# Altium PCB Goldstrike1_Rev01 2014 06 02 2.PcbDoc (part 4 of 6)
Units mm, origin at the board's own origin, x right, y up, seen from the top; angles counter-clockwise.
Board outline 110 x 255.5 mm, 4 copper layers (L1, L2, L3, L4), stack 1.577 mm thick; 658 components, 193 nets, 4346 pads, 2120 vias.
Unrouted connection lines stored in the file: 1041.
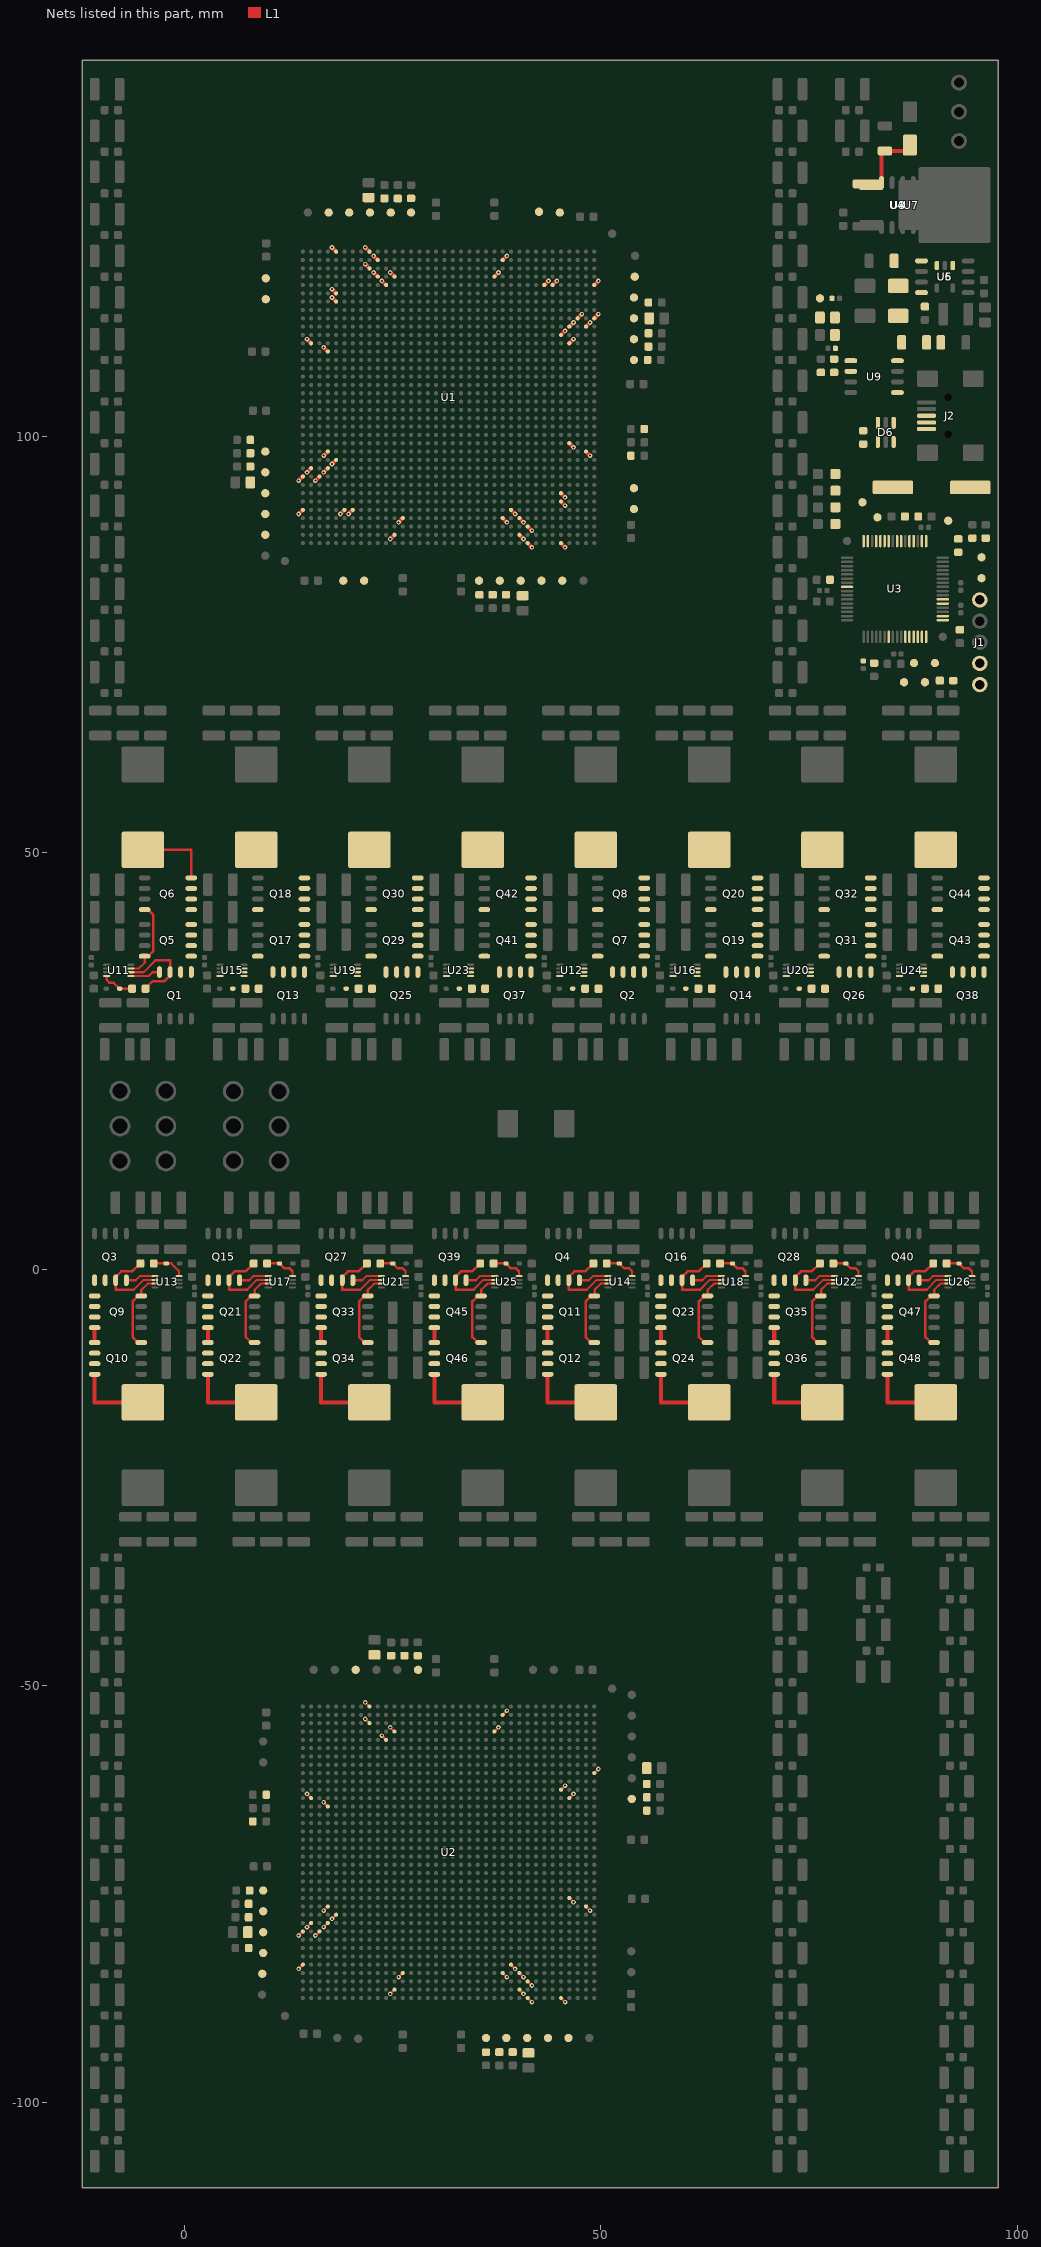
[diagram p6: the nets of this part, all layers, seen from the top]

## Via types
v1: diameter 0.55/0.55 (per signal layer), hole 0.25, L1 to L4, 1968 vias
v2: diameter 0.6/0.6 (per signal layer), hole 0.3, L1 to L4, 152 vias

## Nets (pads, with @x,y where several pads share a name; then routed paths per layer and width w, separated by ;. In a path a pad name is that pad's centre, name@x,y a point inside that pad or via, vN(x,y) a via of type N, cw(c..) or ccw(c..) an arc to the next point about the centre after c; other vN are vias at no path point) (continued)
$1I69\$1N2830: TP63.1 U2.AP28 | length 0.7
  L1 w0.3: v1(21.7,-54) U2.AP28@22.2,-54.5
$1I69\$1N2831: TP56.1 U2.E36 | length 0.7
  L1 w0.3: v1(13.7,-84) U2.E36@14.2,-83.5
$1I69\$1N2832: TP60.1 U2.K35 | length 0.7
  L1 w0.3: v1(14.7,-79) U2.K35@15.2,-78.5
$1I69\$1N2833: TP68.1 U2.K33 | length 0.7
  L1 w0.3: v1(16.7,-79) U2.K33@17.2,-78.5
$1I69\$1N2834: TP64.1 U2.J34 | length 0.7
  L1 w0.3: v1(15.7,-80) U2.J34@16.2,-79.5
$1I69\$1N2835: TP57.1 U2.A5 | length 0.7
  L1 w0.3: U2.A5@45.2,-87.5 v1(45.7,-88)
$1I69\$1N2836: TP61.1 U2.B10 | length 0.7
  L1 w0.3: U2.B10@40.2,-86.5 v1(40.7,-87)
$1I69\$1N2837: TP69.1 U2.D10 | length 0.7
  L1 w0.3: U2.D10@40.2,-84.5 v1(40.7,-85)
$1I69\$1N2838: TP65.1 U2.C9 | length 0.7
  L1 w0.3: U2.C9@41.2,-85.5 v1(41.7,-86)
$1I69\$1N2867: R31.2 TP82.1 U2.AE4 | length 0.7
  L1 w0.3: U2.AE4@46.2,-63.5 v1(46.7,-63)
$1I69\$1N2868: R32.2 TP83.1 U2.AN25 | length 0.7
  L1 w0.3: v1(24.7,-55) U2.AN25@25.2,-55.5
$1I69\$1N2869: R33.2 TP84.1 U2.M33 | length 0.7
  L1 w0.3: v1(16.7,-77) U2.M33@17.2,-76.5
$1I69\$1N2870: R34.2 TP85.1 U2.D12 | length 0.7
  L1 w0.3: U2.D12@38.2,-84.5 v1(38.7,-85)
$1I69\ANAVDD_PLL_5: C156.1 C157.1 FB6.2 U2.AF5 | length 0.7
  L1 w0.3: U2.AF5@45.2,-62.5 v1(45.7,-62)
$1I69\ANAVDD_PLL_6: C158.1 C159.1 FB8.2 U2.AM26 | length 0.7
  L1 w0.3: v1(23.7,-56) U2.AM26@24.2,-56.5
$1I69\ANAVDD_PLL_7: C160.1 C161.1 FB7.2 U2.L32 | length 0.7
  L1 w0.3: v1(17.7,-78) U2.L32@18.2,-77.5
$1I69\ANAVDD_PLL_8: C162.1 C163.1 FB9.2 U2.E11 | length 0.7
  L1 w0.3: U2.E11@39.2,-83.5 v1(39.7,-84)
$1I69\JTG_TRST_L_2: R1.1 U2.AE35 U2.AR12 U2.B25 U2.M2 | length 2.8
  L1 w0.3: v1(14.7,-63) U2.AE35@15.2,-63.5 ; v1(24.7,-87) U2.B25@25.2,-86.5 ; U2.AR12@38.2,-53.5 v1(38.7,-53) ; U2.M2@48.2,-76.5 v1(48.7,-77)
$1I69\PLL_BYPASS_IN_2: R2.1 U2.A9 U2.AH1 U2.AT28 U2.J36 | length 2.8
  L1 w0.3: v1(13.7,-80) U2.J36@14.2,-79.5 ; v1(21.7,-52) U2.AT28@22.2,-52.5 ; U2.A9@41.2,-87.5 v1(41.7,-88) ; U2.AH1@49.2,-60.5 v1(49.7,-60)
$1I69\TEST_MODE_2: R23.1 U2.AD33 U2.AN13 U2.D24 U2.N4 | length 2.8
  L1 w0.3: v1(16.7,-64) U2.AD33@17.2,-64.5 ; v1(25.7,-85) U2.D24@26.2,-84.5 ; U2.AN13@37.2,-55.5 v1(37.7,-55) ; U2.N4@46.2,-75.5 v1(46.7,-76)
$1I79\$1N2293: TP6.1 U3.13
$1I79\$1N2294: TP7.1 U3.14
$1I79\$1N2311: TP10.1 U3.21
$1I79\$1N2312: TP11.1 U3.22
$1I79\$1N2359: TP12.1 U3.43
$1I79\$1N2360: TP13.1 U3.42
$1I79\$1N2443: TP21.1 U3.33
$1I79\$1N2464: R16.2 R17.1 U9.2
$1I79\$1N2473: TP3.1 U3.11
$1I79\$1N2474: TP5.1 U3.12
$1I79\D+: D6.1 J2.3 U3.37
$1I79\D-: D6.3 J2.2 U3.36
$1I79\FB: C3.1 R6.1 U3.17
$1I79\GREEN: D2.2 U3.47
$1I79\LDO3.3V-5.0V: R14.1 R15.1 U9.5 U9.8
$1I79\LDO5.0V: C15.1 D5.1 D7.2 R11.1 R12.2 R15.2 U5.1 U5.3 U6.5 U6.8
$1I79\LM12V: D8.1 R13.1 U4.8 U7.1 U8.1 | length 9.8
  L1 w0.3: U8.1@82.45,130.09 82.2,130.34 U7.1@82.1,130.34 82.26,130.5 U4.8@83.695,130.5
  L1 w0.5: U4.8@83.695,130.5 83.7,130.505 83.7,133.9 R13.1@84.1,134.3 87.1,134.3 D8.1@87.1,135
$1I79\MAIN_OSC_IN: C10.1 U3.39 Y1.1
$1I79\MAIN_OSC_OUT: C11.1 U3.40 Y1.2
$1I79\MCLR: C5.1 J1.1 R9.1 U3.7
$1I79\MCU5.0V: R10.2 U3.34
$1I79\MEAS12: C1.1 R4.2 R5.2 U3.18
$1I79\ORANGE: D4.2 U3.45
$1I79\PGC: J1.5 U3.15
$1I79\PGD: J1.4 U3.16
$1I79\PLL_SUP: C16.1 C17.1 FB5.1 R16.1 U9.1
$1I79\RED: D1.2 U3.48
$1I79\USB5.0V: D6.4 D6.6 J2.1 R10.1 R11.2
$1I79\VCAP: C2.1 U3.56
$1I79\VDD_PLL: C18.1 FB5.2 TP2.1
$1I79\YELLOW: D3.2 U3.44
$1I84\BOOT1: C28.1 D10.1 U11.8 | length 4
  L1 w0.25: -9.35,34.75 U11.8@-9.35,35.225
  L1 w0.3: -9.35,34.75 -9,34.4 -8.5,34.4 D10.1@-7.8,33.7 C28.1@-6.3,33.7
$1I84\BOOT2: C60.1 D14.1 U15.8
$1I84\BOOT3: C92.1 D18.1 U19.8
$1I84\BOOT4: C124.1 D22.1 U23.8
$1I84\BOOT5: C29.1 D11.1 U12.8
$1I84\BOOT6: C61.1 D15.1 U16.8
$1I84\BOOT7: C93.1 D19.1 U20.8
$1I84\BOOT8: C125.1 D23.1 U24.8
$1I84\BOOT9: C30.1 D12.1 U13.8 | length 4
  L1 w0.25: -0.7,-0.2 -0.65,-0.25 U13.8@-0.65,-0.825
  L1 w0.3: C30.1@-3.7,0.7 -1.6,0.7 -0.7,-0.2
$1I84\BOOT10: C62.1 D16.1 U17.8 | length 4
  L1 w0.25: 12.9,-0.2 12.95,-0.25 U17.8@12.95,-0.825
  L1 w0.3: C62.1@9.9,0.7 D16.1@11.4,0.7 12,0.1 12.6,0.1 12.9,-0.2
$1I84\BOOT11: C94.1 D20.1 U21.8 | length 4
  L1 w0.25: 26.5,-0.2 26.55,-0.25 U21.8@26.55,-0.825
  L1 w0.3: C94.1@23.5,0.7 D20.1@25,0.7 25.6,0.1 26.2,0.1 26.5,-0.2
$1I84\BOOT12: C126.1 D24.1 U25.8 | length 4
  L1 w0.25: 40.1,-0.2 40.15,-0.25 U25.8@40.15,-0.825
  L1 w0.3: C126.1@37.1,0.7 D24.1@38.6,0.7 39.2,0.1 39.8,0.1 40.1,-0.2
$1I84\BOOT13: C31.1 D13.1 U14.8 | length 4
  L1 w0.25: 53.7,-0.2 53.75,-0.25 U14.8@53.75,-0.825
  L1 w0.3: C31.1@50.7,0.7 D13.1@52.2,0.7 52.8,0.1 53.4,0.1 53.7,-0.2
$1I84\BOOT14: C63.1 D17.1 U18.8 | length 4
  L1 w0.25: 67.3,-0.2 67.35,-0.25 U18.8@67.35,-0.825
  L1 w0.3: C63.1@64.3,0.7 D17.1@65.8,0.7 66.4,0.1 67,0.1 67.3,-0.2
$1I84\BOOT15: C95.1 D21.1 U22.8 | length 4
  L1 w0.25: 80.9,-0.2 80.95,-0.25 U22.8@80.95,-0.825
  L1 w0.3: C95.1@77.9,0.7 D21.1@79.4,0.7 80,0.1 80.6,0.1 80.9,-0.2
$1I84\BOOT16: C127.1 D25.1 U26.8 | length 4
  L1 w0.25: 94.5,-0.2 94.55,-0.25 U26.8@94.55,-0.825
  L1 w0.3: C127.1@91.5,0.7 D25.1@93,0.7 93.6,0.1 94.2,0.1 94.5,-0.2
$1I84\HO1: Q1.4 U11.1 | length 3.6
  L1 w0.25: U11.1@-6.45,35.225 -4.3,35.225 -3.825,35.7
  L1 w0.3: -3.825,35.7 Q1.4@-3.005,35.7
$1I84\HO2: Q13.4 U15.1
$1I84\HO3: Q25.4 U19.1
$1I84\HO4: Q37.4 U23.1
$1I84\HO5: Q2.4 U12.1
$1I84\HO6: Q14.4 U16.1
$1I84\HO7: Q26.4 U20.1
$1I84\HO8: Q38.4 U24.1
$1I84\HO9: Q3.4 U13.1 | length 3.6
  L1 w0.25: -5.85,-1.3 -5.375,-0.825 U13.1@-3.55,-0.825
  L1 w0.3: Q3.4@-6.995,-1.3 -5.85,-1.3
$1I84\HO10: Q15.4 U17.1 | length 3.6
  L1 w0.25: 7.75,-1.3 8.225,-0.825 U17.1@10.05,-0.825
  L1 w0.3: Q15.4@6.605,-1.3 7.75,-1.3
$1I84\HO11: Q27.4 U21.1 | length 3.6
  L1 w0.25: 21.35,-1.3 21.825,-0.825 U21.1@23.65,-0.825
  L1 w0.3: Q27.4@20.205,-1.3 21.35,-1.3
$1I84\HO12: Q39.4 U25.1 | length 3.6
  L1 w0.25: 34.95,-1.3 35.425,-0.825 U25.1@37.25,-0.825
  L1 w0.3: Q39.4@33.805,-1.3 34.95,-1.3
$1I84\HO13: Q4.4 U14.1 | length 3.6
  L1 w0.25: 48.55,-1.3 49.025,-0.825 U14.1@50.85,-0.825
  L1 w0.3: Q4.4@47.405,-1.3 48.55,-1.3
$1I84\HO14: Q16.4 U18.1 | length 3.6
  L1 w0.25: 62.15,-1.3 62.625,-0.825 U18.1@64.45,-0.825
  L1 w0.3: Q16.4@61.005,-1.3 62.15,-1.3
$1I84\HO15: Q28.4 U22.1 | length 3.6
  L1 w0.25: 75.75,-1.3 76.225,-0.825 U22.1@78.05,-0.825
  L1 w0.3: Q28.4@74.605,-1.3 75.75,-1.3
$1I84\HO16: Q40.4 U26.1 | length 3.6
  L1 w0.25: 89.35,-1.3 89.825,-0.825 U26.1@91.65,-0.825
  L1 w0.3: Q40.4@88.205,-1.3 89.35,-1.3
$1I84\LO1: Q5.4 Q6.4 U11.3 | length 9.6
  L1 w0.25: U11.3@-6.45,36.125 -5.5,36.125 -4.8,36.825
  L1 w0.3: -4.8,36.825 Q5.4@-4.8,37.595 -4.4,37.595 -3.75,38.245 -3.75,42.545 -4.4,43.195 Q6.4@-4.8,43.195
$1I84\LO2: Q17.4 Q18.4 U15.3
$1I84\LO3: Q29.4 Q30.4 U19.3
$1I84\LO4: Q41.4 Q42.4 U23.3
$1I84\LO5: Q7.4 Q8.4 U12.3
$1I84\LO6: Q19.4 Q20.4 U16.3
$1I84\LO7: Q31.4 Q32.4 U20.3
$1I84\LO8: Q43.4 Q44.4 U24.3
$1I84\LO9: Q9.4 Q10.4 U13.3 | length 9.6
  L1 w0.25: -5.175,-2.475 -4.425,-1.725 U13.3@-3.55,-1.725
  L1 w0.3: Q10.4@-5.2,-8.795 -5.6,-8.795 -6.25,-8.145 -6.25,-3.845 -5.6,-3.195 Q9.4@-5.2,-3.195 -5.175,-3.17 -5.175,-2.475
$1I84\LO10: Q21.4 Q22.4 U17.3 | length 9.6
  L1 w0.25: 8.425,-2.475 9.175,-1.725 U17.3@10.05,-1.725
  L1 w0.3: Q22.4@8.4,-8.795 8,-8.795 7.35,-8.145 7.35,-3.845 8,-3.195 Q21.4@8.4,-3.195 8.425,-3.17 8.425,-2.475
$1I84\LO11: Q33.4 Q34.4 U21.3 | length 9.6
  L1 w0.25: 22.025,-2.475 22.775,-1.725 U21.3@23.65,-1.725
  L1 w0.3: Q34.4@22,-8.795 21.6,-8.795 20.95,-8.145 20.95,-3.845 21.6,-3.195 Q33.4@22,-3.195 22.025,-3.17 22.025,-2.475
$1I84\LO12: Q45.4 Q46.4 U25.3 | length 9.6
  L1 w0.25: 35.625,-2.475 36.375,-1.725 U25.3@37.25,-1.725
  L1 w0.3: Q46.4@35.6,-8.795 35.2,-8.795 34.55,-8.145 34.55,-3.845 35.2,-3.195 Q45.4@35.6,-3.195 35.625,-3.17 35.625,-2.475
$1I84\LO13: Q11.4 Q12.4 U14.3 | length 9.6
  L1 w0.25: 49.225,-2.475 49.975,-1.725 U14.3@50.85,-1.725
  L1 w0.3: Q12.4@49.2,-8.795 48.8,-8.795 48.15,-8.145 48.15,-3.845 48.8,-3.195 Q11.4@49.2,-3.195 49.225,-3.17 49.225,-2.475
$1I84\LO14: Q23.4 Q24.4 U18.3 | length 9.6
  L1 w0.25: 62.825,-2.475 63.575,-1.725 U18.3@64.45,-1.725
  L1 w0.3: Q24.4@62.8,-8.795 62.4,-8.795 61.75,-8.145 61.75,-3.845 62.4,-3.195 Q23.4@62.8,-3.195 62.825,-3.17 62.825,-2.475
$1I84\LO15: Q35.4 Q36.4 U22.3 | length 9.6
  L1 w0.25: 76.425,-2.475 77.175,-1.725 U22.3@78.05,-1.725
  L1 w0.3: Q36.4@76.4,-8.795 76,-8.795 75.35,-8.145 75.35,-3.845 76,-3.195 Q35.4@76.4,-3.195 76.425,-3.17 76.425,-2.475
$1I84\LO16: Q47.4 Q48.4 U26.3 | length 9.6
  L1 w0.25: 90.025,-2.475 90.775,-1.725 U26.3@91.65,-1.725
  L1 w0.3: Q48.4@90,-8.795 89.6,-8.795 88.95,-8.145 88.95,-3.845 89.6,-3.195 Q47.4@90,-3.195 90.025,-3.17 90.025,-2.475
$1I84\SWN1: C28.2 L1.1 Q1.1 Q1.2 Q1.3 Q5.5 Q5.6 Q5.7 Q5.8 Q6.5 Q6.6 Q6.7 Q6.8 U11.2 | length 19.9
  L1 w0.25: U11.2@-6.45,35.675 -4.925,35.675 -3.512,37.088
  L1 w0.3: L1.1@-5,50.375 0.8,50.375 Q6.8@0.8,47.005 ; C28.2@-4.7,33.7 -4.7,33.725 -3.825,34.6 -2.435,34.6 -1.735,35.3 Q1.3@-1.735,35.7 -1.735,37.088 -3.512,37.088
$1I84\SWN2: C60.2 L5.1 Q13.1 Q13.2 Q13.3 Q17.5 Q17.6 Q17.7 Q17.8 Q18.5 Q18.6 Q18.7 Q18.8 U15.2
$1I84\SWN3: C92.2 L9.1 Q25.1 Q25.2 Q25.3 Q29.5 Q29.6 Q29.7 Q29.8 Q30.5 Q30.6 Q30.7 Q30.8 U19.2
$1I84\SWN4: C124.2 L13.1 Q37.1 Q37.2 Q37.3 Q41.5 Q41.6 Q41.7 Q41.8 Q42.5 Q42.6 Q42.7 Q42.8 U23.2
$1I84\SWN5: C29.2 L2.1 Q2.1 Q2.2 Q2.3 Q7.5 Q7.6 Q7.7 Q7.8 Q8.5 Q8.6 Q8.7 Q8.8 U12.2
$1I84\SWN6: C61.2 L6.1 Q14.1 Q14.2 Q14.3 Q19.5 Q19.6 Q19.7 Q19.8 Q20.5 Q20.6 Q20.7 Q20.8 U16.2
$1I84\SWN7: C93.2 L10.1 Q26.1 Q26.2 Q26.3 Q31.5 Q31.6 Q31.7 Q31.8 Q32.5 Q32.6 Q32.7 Q32.8 U20.2
$1I84\SWN8: C125.2 L14.1 Q38.1 Q38.2 Q38.3 Q43.5 Q43.6 Q43.7 Q43.8 Q44.5 Q44.6 Q44.7 Q44.8 U24.2
$1I84\SWN9: C30.2 L3.1 Q3.1 Q3.2 Q3.3 Q9.5 Q9.6 Q9.7 Q9.8 Q10.5 Q10.6 Q10.7 Q10.8 U13.2 | length 21.3
  L1 w0.25: -6.1,-2.45 -4.925,-1.275 U13.2@-3.55,-1.275
  L1 w0.3: -6.1,-2.45 -8.265,-2.45 Q3.3@-8.265,-1.3 -8.265,-0.915 -7.6,-0.25 -6.3,-0.25 C30.2@-5.3,0.7
  L1 w0.5: Q10.8@-10.8,-12.605 -10.8,-15.975 L3.1@-5,-15.975 ; Q10.5@-10.8,-8.795 Q9.8@-10.8,-7.005
$1I84\SWN10: C62.2 L7.1 Q15.1 Q15.2 Q15.3 Q21.5 Q21.6 Q21.7 Q21.8 Q22.5 Q22.6 Q22.7 Q22.8 U17.2 | length 21.2
  L1 w0.25: 7.5,-2.45 8.675,-1.275 U17.2@10.05,-1.275
  L1 w0.3: Q15.3@5.335,-1.4 5.335,-2.45 7.5,-2.45 ; Q15.3@5.335,-1.3 5.335,-0.915 6,-0.25 7.3,-0.25 C62.2@8.3,0.7
  L1 w0.5: Q22.8@2.8,-12.605 2.8,-15.975 L7.1@8.6,-15.975 ; Q22.5@2.8,-8.795 Q21.8@2.8,-7.005
$1I84\SWN11: C94.2 L11.1 Q27.1 Q27.2 Q27.3 Q33.5 Q33.6 Q33.7 Q33.8 Q34.5 Q34.6 Q34.7 Q34.8 U21.2 | length 21.2
  L1 w0.25: 21.1,-2.45 22.275,-1.275 U21.2@23.65,-1.275
  L1 w0.3: Q27.3@18.935,-1.4 18.935,-2.45 21.1,-2.45 ; Q27.3@18.935,-1.3 18.935,-0.915 19.6,-0.25 20.9,-0.25 C94.2@21.9,0.7
  L1 w0.5: Q34.8@16.4,-12.605 16.4,-15.975 L11.1@22.2,-15.975 ; Q34.5@16.4,-8.795 Q33.8@16.4,-7.005
$1I84\SWN12: C126.2 L15.1 Q39.1 Q39.2 Q39.3 Q45.5 Q45.6 Q45.7 Q45.8 Q46.5 Q46.6 Q46.7 Q46.8 U25.2 | length 21.2
  L1 w0.25: 34.7,-2.45 35.875,-1.275 U25.2@37.25,-1.275
  L1 w0.3: Q39.3@32.535,-1.4 32.535,-2.45 34.7,-2.45 ; Q39.3@32.535,-1.3 32.535,-0.915 33.2,-0.25 34.5,-0.25 C126.2@35.5,0.7
  L1 w0.5: Q46.8@30,-12.605 30,-15.975 L15.1@35.8,-15.975 ; Q46.5@30,-8.795 Q45.8@30,-7.005
$1I84\SWN13: C31.2 L4.1 Q4.1 Q4.2 Q4.3 Q11.5 Q11.6 Q11.7 Q11.8 Q12.5 Q12.6 Q12.7 Q12.8 U14.2 | length 21.3
  L1 w0.25: 48.3,-2.45 49.475,-1.275 U14.2@50.85,-1.275
  L1 w0.3: 48.3,-2.45 46.135,-2.45 Q4.3@46.135,-1.3 46.135,-0.915 46.8,-0.25 48.1,-0.25 C31.2@49.1,0.7
  L1 w0.5: Q12.8@43.6,-12.605 43.6,-15.975 L4.1@49.4,-15.975 ; Q12.5@43.6,-8.795 Q11.8@43.6,-7.005
$1I84\SWN14: C63.2 L8.1 Q16.1 Q16.2 Q16.3 Q23.5 Q23.6 Q23.7 Q23.8 Q24.5 Q24.6 Q24.7 Q24.8 U18.2 | length 21.2
  L1 w0.25: 61.9,-2.45 63.075,-1.275 U18.2@64.45,-1.275
  L1 w0.3: Q16.3@59.735,-1.4 59.735,-2.45 61.9,-2.45 ; Q16.3@59.735,-1.3 59.735,-0.915 60.4,-0.25 61.7,-0.25 C63.2@62.7,0.7
  L1 w0.5: Q24.8@57.2,-12.605 57.2,-15.975 L8.1@63,-15.975 ; Q24.5@57.2,-8.795 Q23.8@57.2,-7.005
$1I84\SWN15: C95.2 L12.1 Q28.1 Q28.2 Q28.3 Q35.5 Q35.6 Q35.7 Q35.8 Q36.5 Q36.6 Q36.7 Q36.8 U22.2 | length 21.2
  L1 w0.25: 75.5,-2.45 76.675,-1.275 U22.2@78.05,-1.275
  L1 w0.3: Q28.3@73.335,-1.4 73.335,-2.45 75.5,-2.45 ; Q28.3@73.335,-1.3 73.335,-0.915 74,-0.25 75.3,-0.25 C95.2@76.3,0.7
  L1 w0.5: Q36.8@70.8,-12.605 70.8,-15.975 L12.1@76.6,-15.975 ; Q36.5@70.8,-8.795 Q35.8@70.8,-7.005
$1I84\SWN16: C127.2 L16.1 Q40.1 Q40.2 Q40.3 Q47.5 Q47.6 Q47.7 Q47.8 Q48.5 Q48.6 Q48.7 Q48.8 U26.2 | length 21.3
  L1 w0.25: 89.1,-2.45 90.275,-1.275 U26.2@91.65,-1.275
  L1 w0.3: 89.1,-2.45 86.935,-2.45 Q40.3@86.935,-1.3 86.935,-0.915 87.6,-0.25 88.9,-0.25 C127.2@89.9,0.7
  L1 w0.5: Q48.8@84.4,-12.605 84.4,-15.975 L16.1@90.2,-15.975 ; Q48.5@84.4,-8.795 Q47.8@84.4,-7.005
$1I89\$1N2815: TP22.1 U1.AM6 | length 0.7
  L1 w0.5: v1(18.7,90.7) U1.AM6@19.2,91.2
$1I89\$1N2816: TP26.1 U1.AM7 | length 0.7
  L1 w0.5: v1(19.7,90.7) U1.AM7@20.2,91.2
$1I89\$1N2817: TP23.1 U1.AL32 | length 0.7
  L1 w0.5: U1.AL32@45.2,92.2 v1(45.7,91.7)
$1I89\$1N2818: TP27.1 U1.AK32 | length 0.7
  L1 w0.5: U1.AK32@45.2,93.2 v1(45.7,92.7)
$1I89\$1N2819: TP24.1 U1.E31 | length 0.7
  L1 w0.5: U1.E31@44.2,118.2 v1(44.7,118.7)
$1I89\$1N2820: TP28.1 U1.E30 | length 0.7
  L1 w0.5: U1.E30@43.2,118.2 v1(43.7,118.7)
$1I89\$1N2821: TP25.1 U1.F5 | length 0.7
  L1 w0.5: v1(17.7,117.7) U1.F5@18.2,117.2
$1I89\$1N2822: TP29.1 U1.G5 | length 0.7
  L1 w0.5: v1(17.7,116.7) U1.G5@18.2,116.2
$1I89\$1N2823: TP38.1 U1.AM1 | length 0.7
  L1 w0.5: v1(13.7,90.7) U1.AM1@14.2,91.2
$1I89\$1N2824: TP42.1 U1.AG2 | length 0.7
  L1 w0.5: v1(14.7,95.7) U1.AG2@15.2,96.2
$1I89\$1N2825: TP50.1 U1.AG4 | length 0.7
  L1 w0.5: v1(16.7,95.7) U1.AG4@17.2,96.2
$1I89\$1N2826: TP46.1 U1.AH3 | length 0.7
  L1 w0.5: v1(15.7,94.7) U1.AH3@16.2,95.2
$1I89\$1N2827: TP39.1 U1.AT32 | length 0.7
  L1 w0.5: U1.AT32@45.2,87.2 v1(45.7,86.7)
$1I89\$1N2828: TP43.1 U1.AR27 | length 0.7
  L1 w0.5: U1.AR27@40.2,88.2 v1(40.7,87.7)
$1I89\$1N2829: TP51.1 U1.AN27 | length 0.7
  L1 w0.5: U1.AN27@40.2,90.2 v1(40.7,89.7)
$1I89\$1N2830: TP47.1 U1.AP28 | length 0.7
  L1 w0.5: U1.AP28@41.2,89.2 v1(41.7,88.7)
$1I89\$1N2831: TP40.1 U1.E36 | length 0.7
  L1 w0.5: U1.E36@49.2,118.2 v1(49.7,118.7)
$1I89\$1N2832: TP44.1 U1.K35 | length 0.7
  L1 w0.5: U1.K35@48.2,113.2 v1(48.7,113.7)
$1I89\$1N2833: TP52.1 U1.K33 | length 0.7
  L1 w0.5: U1.K33@46.2,113.2 v1(46.7,113.7)
$1I89\$1N2834: TP48.1 U1.J34 | length 0.7
  L1 w0.5: U1.J34@47.2,114.2 v1(47.7,114.7)
$1I89\$1N2835: TP41.1 U1.A5 | length 0.7
  L1 w0.5: v1(17.7,122.7) U1.A5@18.2,122.2
$1I89\$1N2836: TP45.1 U1.B10 | length 0.7
  L1 w0.5: v1(22.7,121.7) U1.B10@23.2,121.2
$1I89\$1N2837: TP53.1 U1.D10 | length 0.7
  L1 w0.5: v1(22.7,119.7) U1.D10@23.2,119.2
$1I89\$1N2838: TP49.1 U1.C9 | length 0.7
  L1 w0.5: v1(21.7,120.7) U1.C9@22.2,120.2
$1I89\$1N2867: R30.2 TP81.1 U1.D12 | length 0.7
  L1 w0.5: v1(24.7,119.7) U1.D12@25.2,119.2
$1I89\$1N2868: R29.2 TP80.1 U1.M33 | length 0.7
  L1 w0.5: U1.M33@46.2,111.2 v1(46.7,111.7)
$1I89\$1N2869: R28.2 TP79.1 U1.AN25 | length 0.7
  L1 w0.5: U1.AN25@38.2,90.2 v1(38.7,89.7)
$1I89\$1N2870: R27.2 TP78.1 U1.AE4 | length 0.7
  L1 w0.5: v1(16.7,97.7) U1.AE4@17.2,98.2
$1I89\ANAVDD_PLL_1: C148.1 C149.1 FB1.2 U1.AF5 | length 0.7
  L1 w0.5: v1(17.7,96.7) U1.AF5@18.2,97.2
$1I89\ANAVDD_PLL_2: C150.1 C151.1 FB3.2 U1.AM26 | length 0.7
  L1 w0.5: U1.AM26@39.2,91.2 v1(39.7,90.7)
$1I89\ANAVDD_PLL_3: C152.1 C153.1 FB2.2 U1.L32 | length 0.7
  L1 w0.5: U1.L32@45.2,112.2 v1(45.7,112.7)
$1I89\ANAVDD_PLL_4: C154.1 C155.1 FB4.2 U1.E11 | length 0.7
  L1 w0.5: v1(23.7,118.7) U1.E11@24.2,118.2
$1I89\JTG_TRST_L_1: R20.1 U1.AE35 U1.AR12 U1.B25 U1.M2 | length 2.8
  L1 w0.5: v1(14.7,111.7) U1.M2@15.2,111.2 ; v1(24.7,87.7) U1.AR12@25.2,88.2 ; U1.B25@38.2,121.2 v1(38.7,121.7) ; U1.AE35@48.2,98.2 v1(48.7,97.7)
$1I89\PLL_BYPASS_IN_1: R3.1 U1.A9 U1.AH1 U1.AT28 U1.J36 | length 2.8
  L1 w0.5: v1(13.7,94.7) U1.AH1@14.2,95.2 ; v1(21.7,122.7) U1.A9@22.2,122.2 ; U1.AT28@41.2,87.2 v1(41.7,86.7) ; U1.J36@49.2,114.2 v1(49.7,114.7)
$1I89\TEST_MODE_1: R22.1 U1.AD33 U1.AN13 U1.D24 U1.N4 | length 2.8
  L1 w0.5: v1(16.7,110.7) U1.N4@17.2,110.2 ; v1(25.7,89.7) U1.AN13@26.2,90.2 ; U1.D24@37.2,119.2 v1(37.7,119.7) ; U1.AD33@46.2,99.2 v1(46.7,98.7)